# Altium PCB PCB2.PcbDoc (part 2 of 5) (continued)
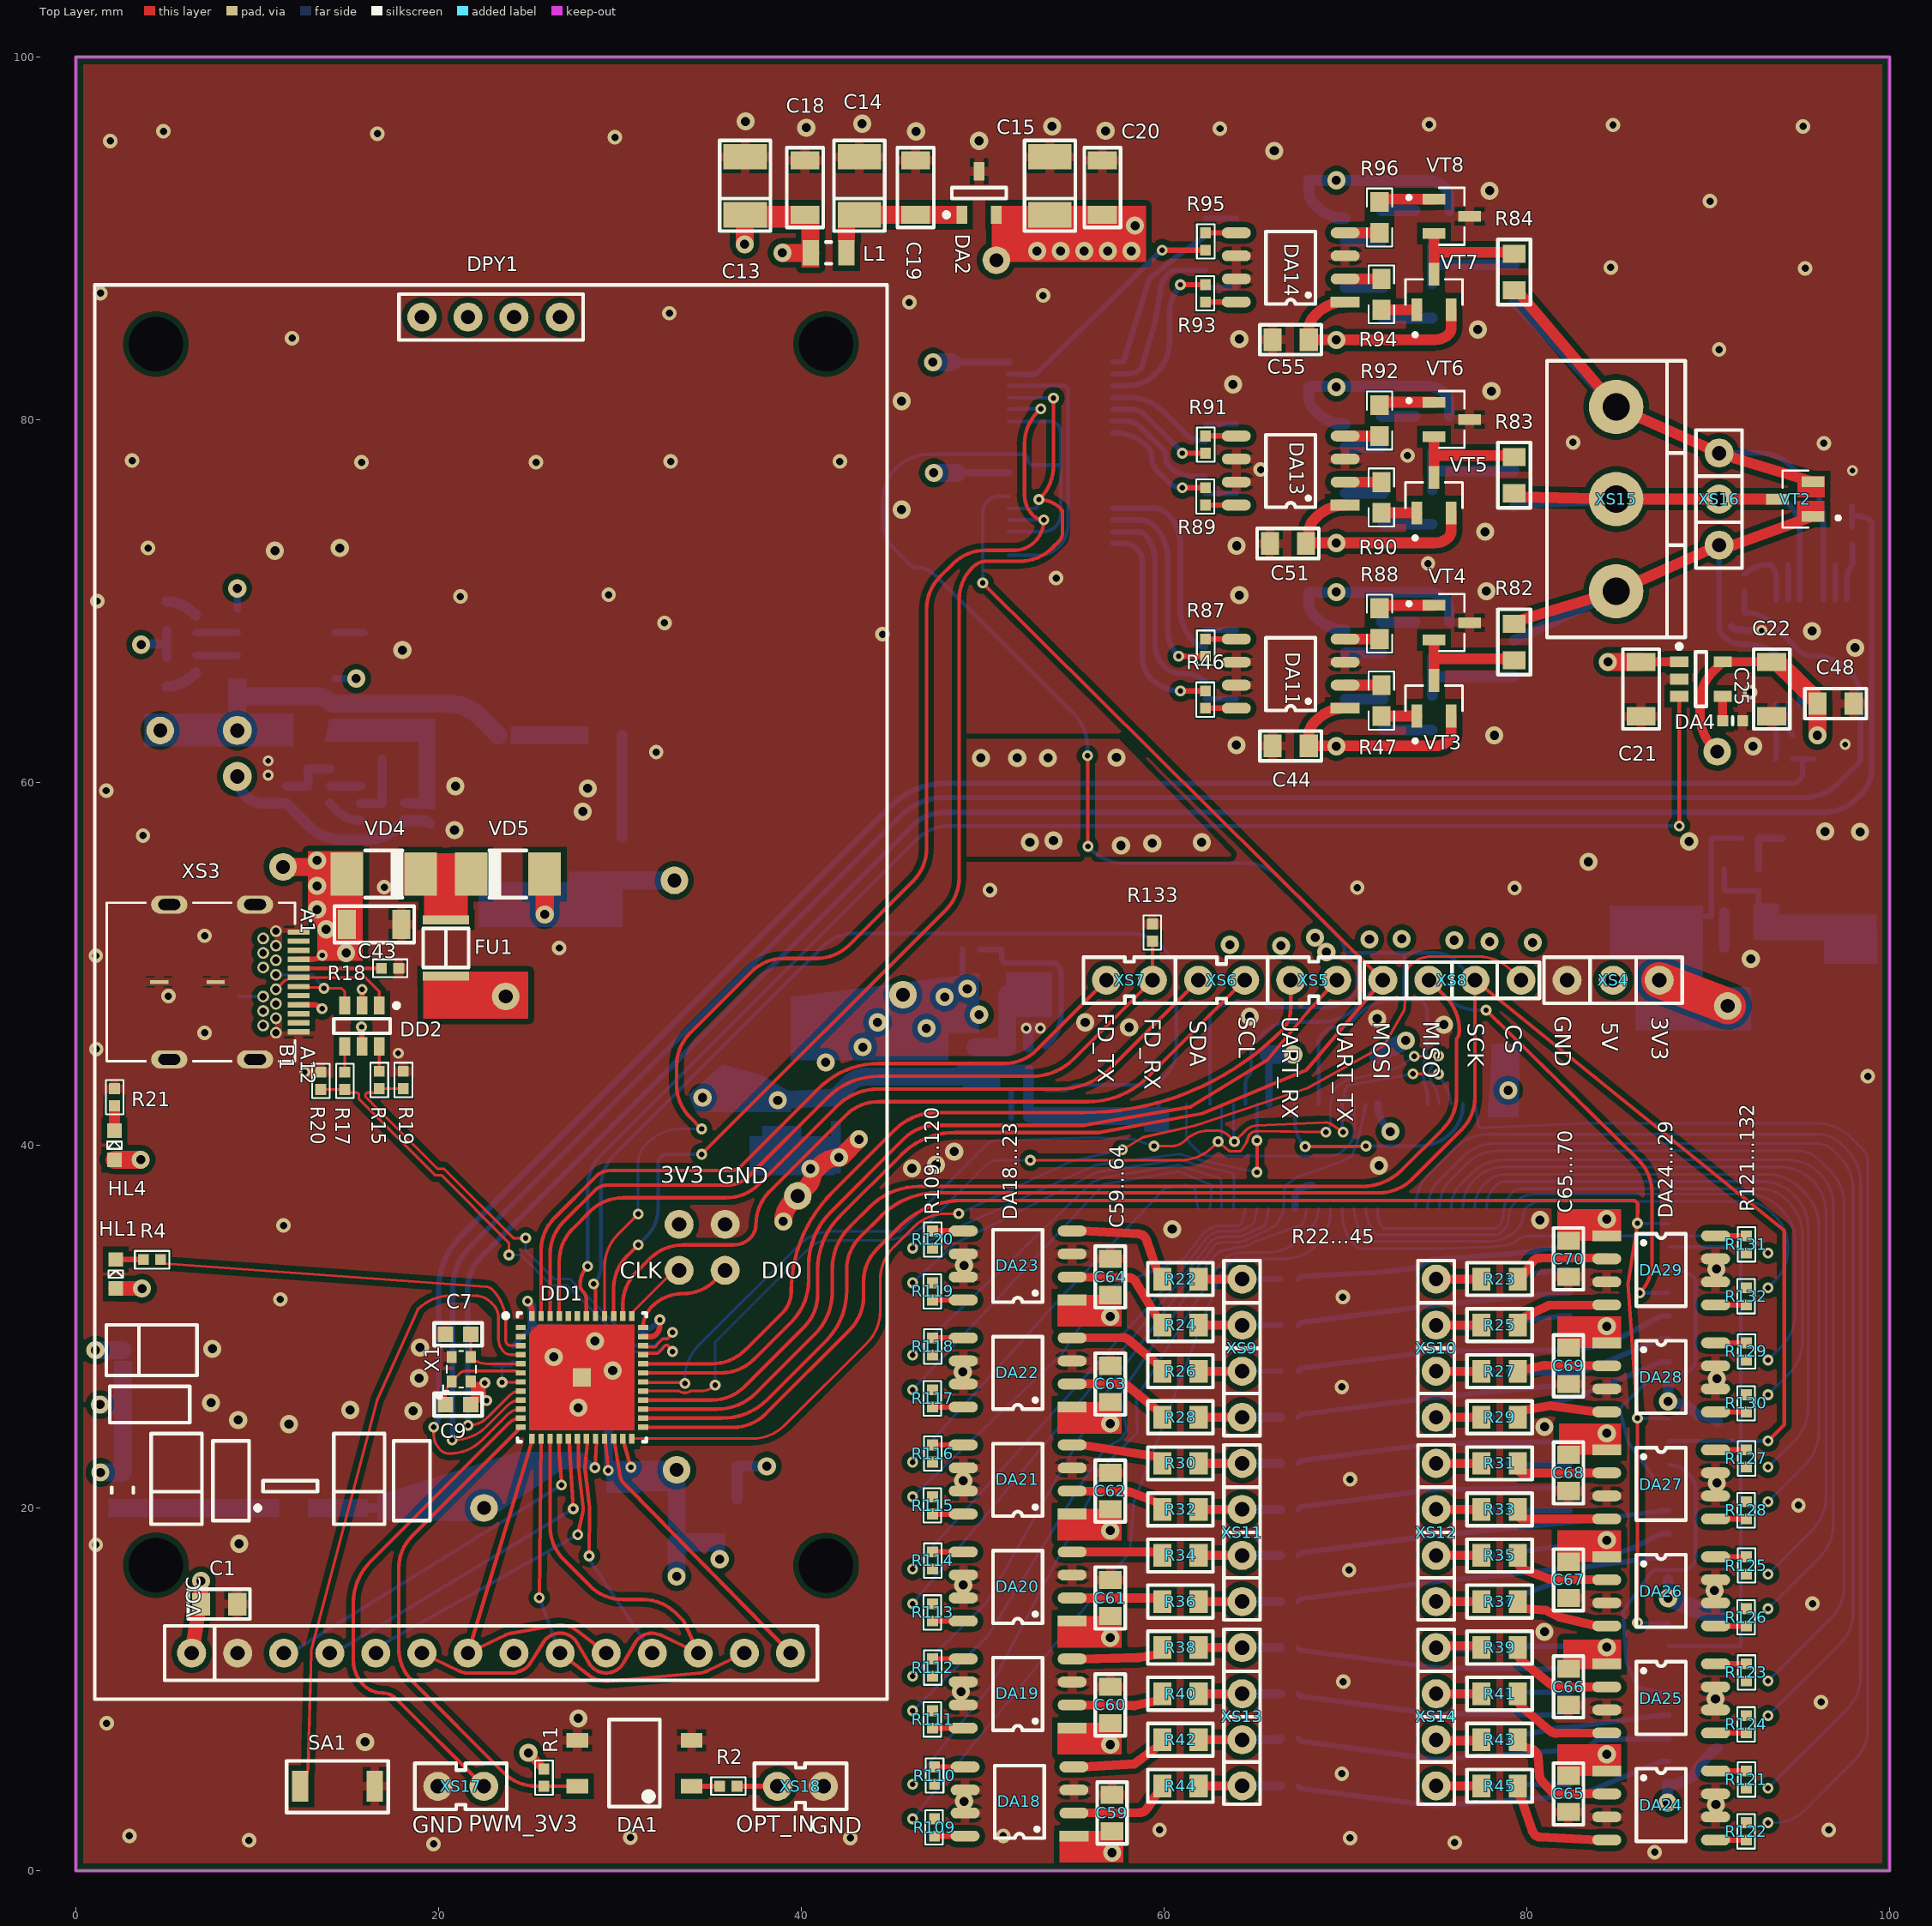
[diagram p0: Top Layer view]
## Nets (pads, with @x,y where several pads share a name; then routed paths per layer and width w, separated by ;. In a path a pad name is that pad's centre, name@x,y a point inside that pad or via, vN(x,y) a via of type N, cw(c..) or ccw(c..) an arc to the next point about the centre after c; other vN are vias at no path point) (continued)
  Bottom Layer w0.6: DA15.1@69.482,68.41 DA15.1@69.982,68.41 ; DA16.1@69.482,79.76 DA16.1@69.982,79.76 ; DA17.1@69.482,91.11 DA17.1@69.982,91.11 ; VT9.2@75.732,68.84 75.732,69.496 ; VT11.2@75.732,80.19 75.732,80.846 ; VT13.2@75.732,91.54 75.732,92.196 ; C56.1@67.982,69.914 ccw(c69.006,69.914) 68.282,69.19 ; C56.1@67.982,69.914 ccw(c69.006,69.914) 68.282,69.19 ; C56.1@67.982,69.914 ccw(c69.006,69.914) 68.282,69.19 ; C56.1@67.982,69.914 ccw(c69.006,69.914) 68.282,69.19 ; C56.1@67.982,69.914 C56.1@67.982,70.49 74.54,70.49 ; C57.1@67.982,81.264 ccw(c69.006,81.264) 68.282,80.54 ; C57.1@67.982,81.264 ccw(c69.006,81.264) 68.282,80.54 ; C57.1@67.982,81.264 ccw(c69.006,81.264) 68.282,80.54 ; C57.1@67.982,81.264 ccw(c69.006,81.264) 68.282,80.54 ; C57.1@67.982,81.264 C57.1@67.982,81.84 74.54,81.84 ; C58.1@67.982,92.614 ccw(c69.006,92.614) 68.282,91.89 ; C58.1@67.982,92.614 ccw(c69.006,92.614) 68.282,91.89 ; C58.1@67.982,92.614 ccw(c69.006,92.614) 68.282,91.89 ; C58.1@67.982,92.614 ccw(c69.006,92.614) 68.282,91.89 ; C58.1@67.982,92.614 C58.1@67.982,93.19 74.54,93.19 ; 68.282,69.19 68.411,69.061 ; 68.282,80.54 68.411,80.411 ; 68.282,91.89 68.411,91.76 ; 68.411,69.061 ccw(c69.982,70.631) DA15.1@69.982,68.41 ; 68.411,69.061 ccw(c69.982,70.631) DA15.1@69.982,68.41 ; 68.411,69.061 ccw(c69.982,70.631) DA15.1@69.982,68.41 ; 68.411,69.061 ccw(c69.982,70.631) DA15.1@69.982,68.41 ; 68.411,69.061 ccw(c69.982,70.631) DA15.1@69.982,68.41 ; 68.411,69.061 ccw(c69.982,70.631) DA15.1@69.982,68.41 ; 68.411,69.061 ccw(c69.982,70.631) DA15.1@69.982,68.41 ; 68.411,69.061 ccw(c69.982,70.631) DA15.1@69.982,68.41 ; 68.411,80.411 ccw(c69.982,81.981) DA16.1@69.982,79.76 ; 68.411,80.411 ccw(c69.982,81.981) DA16.1@69.976,79.76 ; 68.411,80.411 ccw(c69.982,81.981) DA16.1@69.976,79.76 ; 68.411,80.411 ccw(c69.982,81.981) DA16.1@69.982,79.76 ; 68.411,80.411 ccw(c69.982,81.981) DA16.1@69.976,79.76 ; 68.411,91.761 ccw(c69.982,93.331) DA17.1@69.982,91.11 ; 68.411,91.761 ccw(c69.982,93.331) DA17.1@69.982,91.11 ; 68.411,91.761 ccw(c69.982,93.331) DA17.1@69.982,91.11 ; 68.411,91.761 ccw(c69.982,93.331) DA17.1@69.982,91.11 ; 68.411,91.76 ccw(c69.982,93.331) DA17.1@69.982,91.11 ; 68.411,91.76 ccw(c69.982,93.331) DA17.1@69.982,91.11 ; 68.411,91.76 ccw(c69.982,93.331) DA17.1@69.982,91.11 ; 68.411,91.76 ccw(c69.982,93.331) DA17.1@69.982,91.11 ; DA16.1@69.976,79.76 ccw(c69.982,81.981) DA16.1@69.982,79.76 ; DA16.1@69.976,79.76 ccw(c69.982,81.981) DA16.1@69.982,79.76 ; DA16.1@69.976,79.76 ccw(c69.982,81.981) DA16.1@69.982,79.76 ; 74.54,70.49 cw(c74.54,69.158) 75.482,70.1 ; 74.54,70.49 cw(c74.54,69.158) 75.482,70.1 ; 74.54,70.49 cw(c74.54,69.158) 75.482,70.1 ; 74.54,70.49 cw(c74.54,69.158) 75.482,70.1 ; 74.54,70.49 cw(c74.54,69.158) 75.482,70.1 ; 74.54,70.49 cw(c74.54,69.158) 75.482,70.1 ; 74.54,70.49 cw(c74.54,69.158) 75.482,70.1 ; 74.54,70.49 cw(c74.54,69.158) 75.482,70.1 ; 74.54,81.84 cw(c74.54,80.508) 75.482,81.45 ; 74.54,81.84 cw(c74.54,80.508) 75.482,81.45 ; 74.54,81.84 cw(c74.54,80.508) 75.482,81.45 ; 74.54,81.84 cw(c74.54,80.508) 75.482,81.45 ; 74.54,81.84 cw(c74.54,80.508) 75.482,81.45 ; 74.54,81.84 cw(c74.54,80.508) 75.482,81.45 ; 74.54,81.84 cw(c74.54,80.508) 75.482,81.45 ; 74.54,81.84 cw(c74.54,80.508) 75.482,81.45 ; 74.54,93.19 cw(c74.54,91.858) 75.482,92.8 ; 74.54,93.19 cw(c74.54,91.858) 75.482,92.8 ; 74.54,93.19 cw(c74.54,91.858) 75.482,92.8 ; 74.54,93.19 cw(c74.54,91.858) 75.482,92.8 ; 74.54,93.19 cw(c74.54,91.858) 75.482,92.8 ; 74.54,93.19 cw(c74.54,91.858) 75.482,92.8 ; 74.54,93.19 cw(c74.54,91.858) 75.482,92.8 ; 74.54,93.19 cw(c74.54,91.858) 75.482,92.8 ; 75.482,70.1 cw(c74.878,69.496) 75.732,69.496 ; 75.482,70.1 cw(c74.878,69.496) 75.732,69.496 ; 75.482,70.1 cw(c74.878,69.496) 75.732,69.496 ; 75.482,70.1 cw(c74.878,69.496) 75.732,69.496 ; 75.482,70.1 cw(c74.878,69.496) 75.732,69.496 ; 75.482,70.1 cw(c74.878,69.496) 75.732,69.496 ; 75.482,70.1 cw(c74.878,69.496) 75.732,69.496 ; 75.482,70.1 cw(c74.878,69.496) 75.732,69.496 ; 75.482,81.45 cw(c74.878,80.846) 75.732,80.846 ; 75.482,81.45 cw(c74.878,80.846) 75.732,80.846 ; 75.482,81.45 cw(c74.878,80.846) 75.732,80.846 ; 75.482,81.45 cw(c74.878,80.846) 75.732,80.846 ; 75.482,81.45 cw(c74.878,80.846) 75.732,80.846 ; 75.482,81.45 cw(c74.878,80.846) 75.732,80.846 ; 75.482,81.45 cw(c74.878,80.846) 75.732,80.846 ; 75.482,81.45 cw(c74.878,80.846) 75.732,80.846 ; 75.482,92.8 cw(c74.878,92.196) 75.732,92.196 ; 75.482,92.8 cw(c74.878,92.196) 75.732,92.196 ; 75.482,92.8 cw(c74.878,92.196) 75.732,92.196 ; 75.482,92.8 cw(c74.878,92.196) 75.732,92.196 ; 75.482,92.8 cw(c74.878,92.196) 75.732,92.196 ; 75.482,92.8 cw(c74.878,92.196) 75.732,92.196 ; 75.482,92.8 cw(c74.878,92.196) 75.732,92.196 ; 75.482,92.8 cw(c74.878,92.196) 75.732,92.196
  other v1: 69.5,62 69.5,70.5 69.5,73.2 69.5,81.8 69.5,84.4 53,89.3 54.3,89.3 55.6,89.3 56.9,89.3 58.2,89.3 58.4,90.7 69.5,93.2
10V: C22.1 C48.1 DA4.5 DA12.4 TP2.1 | length 14.7
  Top Layer w0.5: TP2.1@90.5,61.7 TP2.1@90.294,61.906 ; DA4.5@90.8,66.65 90.257,66.107 ccw(c91.964,64.4) 89.55,64.4 89.55,63.702 ; 89.55,63.702 ccw(c92.09,63.702) TP2.1@90.294,61.906 ; 89.55,63.702 ccw(c92.09,63.702) TP2.1@90.294,61.906
  Top Layer w1: C22.1@93.5,66.65 93.8,66.65 96.025,64.475 C48.1@96.025,64.35 v1(96.025,62.6)
  Bottom Layer w0.4: DA12.4@95.7,64.325 95.705,63.785 v1(96.025,62.6)
A1: DA18.2 R44.2 | length 9
  Top Layer w0.5: DA18.2@55.029,3.181 55.529,3.181 58.636,3.199 58.638,3.199 ; R44.2@59.9,4.68 59.65,4.305 59.047,3.417 ; 58.638,3.199 ccw(c58.633,3.699) 59.047,3.417 ; 58.638,3.199 ccw(c58.633,3.699) 59.047,3.417 ; 58.638,3.199 ccw(c58.633,3.699) 59.047,3.417 ; 58.638,3.199 ccw(c58.633,3.699) 59.047,3.417 ; 58.638,3.199 ccw(c58.633,3.699) 59.047,3.417 ; 58.638,3.199 ccw(c58.633,3.699) 59.047,3.417 ; 58.638,3.199 ccw(c58.633,3.699) 59.047,3.417 ; 58.638,3.199 ccw(c58.633,3.699) 59.047,3.417
A2: DA19.2 R40.2 | length 6
  Top Layer w0.5: DA19.2@54.929,9.136 55.429,9.136 58.292,9.101 ; R40.2@59.9,9.76 59.65,9.385 58.404,9.113 ; 58.293,9.101 ccw(c58.298,9.601) 58.405,9.113 ; 58.293,9.101 ccw(c58.298,9.601) 58.405,9.113 ; 58.293,9.101 ccw(c58.298,9.601) 58.405,9.113 ; 58.293,9.101 ccw(c58.298,9.601) 58.405,9.113 ; 58.293,9.101 ccw(c58.298,9.601) 58.405,9.113 ; 58.293,9.101 ccw(c58.298,9.601) 58.405,9.113 ; 58.293,9.101 ccw(c58.298,9.601) 58.405,9.113 ; 58.293,9.101 ccw(c58.298,9.601) 58.405,9.113
A3: DA20.2 R36.2 | length 5
  Top Layer w0.5: DA20.2@54.929,15.036 59.65,15.036 R36.2@59.9,14.84
A4: DA21.2 R32.2 | length 6.5
  Top Layer w0.5: DA21.2@54.929,20.936 55.429,20.936 57.976,20.902 57.978,20.902 ; R32.2@59.9,19.92 59.65,20.295 58.148,20.869 ; 57.978,20.902 cw(c57.97,20.402) 58.148,20.869 ; 57.978,20.902 cw(c57.97,20.402) 58.148,20.869 ; 57.978,20.902 cw(c57.97,20.402) 58.148,20.869 ; 57.978,20.902 cw(c57.97,20.402) 58.148,20.869 ; 57.978,20.902 cw(c57.97,20.402) 58.148,20.869 ; 57.978,20.902 cw(c57.97,20.402) 58.148,20.869 ; 57.978,20.902 cw(c57.97,20.402) 58.148,20.869 ; 57.978,20.902 cw(c57.97,20.402) 58.148,20.869
A5: DA22.2 R28.2 | length 8.1
  Top Layer w0.5: DA22.2@54.929,26.836 57.668,26.836 ; R28.2@59.9,25 59.65,25.375 57.983,26.725 ; 57.668,26.836 cw(c57.668,26.336) 57.983,26.725 ; 57.668,26.836 cw(c57.668,26.336) 57.983,26.725 ; 57.668,26.836 cw(c57.668,26.336) 57.983,26.725 ; 57.668,26.836 cw(c57.668,26.336) 57.983,26.725 ; 57.668,26.836 cw(c57.668,26.336) 57.983,26.725 ; 57.668,26.836 cw(c57.668,26.336) 57.983,26.725 ; 57.668,26.836 cw(c57.668,26.336) 57.983,26.725 ; 57.668,26.836 cw(c57.668,26.336) 57.983,26.725
A6: DA23.2 R24.2 | length 9.9
  Top Layer w0.5: DA23.2@54.929,32.736 55.429,32.736 58.024,32.703 ; R24.2@59.9,30.08 59.65,30.455 58.446,32.461 ; 58.025,32.703 cw(c58.017,32.203) 58.446,32.461 ; 58.025,32.703 cw(c58.017,32.203) 58.446,32.461 ; 58.025,32.703 cw(c58.017,32.203) 58.446,32.461 ; 58.025,32.703 cw(c58.017,32.203) 58.446,32.461 ; 58.025,32.703 cw(c58.017,32.203) 58.446,32.461 ; 58.025,32.703 cw(c58.017,32.203) 58.446,32.461 ; 58.025,32.703 cw(c58.017,32.203) 58.446,32.461 ; 58.025,32.703 cw(c58.017,32.203) 58.446,32.461
A7: DA24.2 R43.1 | length 16.3
  Top Layer w0.5: R43.1@79.5,7.22 79.75,6.845 80.258,6.697 ; 80.814,4.973 81.326,4.401 ; DA24.2@84.406,4.235 81.698,4.235 ; 80.258,6.697 cw(c80.119,6.217) 80.618,6.254 ; 80.258,6.697 cw(c80.119,6.217) 80.618,6.254 ; 80.258,6.697 cw(c80.119,6.217) 80.618,6.254 ; 80.258,6.697 cw(c80.119,6.217) 80.618,6.254 ; 80.258,6.697 cw(c80.119,6.217) 80.618,6.254 ; 80.258,6.697 cw(c80.119,6.217) 80.618,6.254 ; 80.258,6.697 cw(c80.119,6.217) 80.618,6.254 ; 80.258,6.697 cw(c80.119,6.217) 80.618,6.254 ; 80.618,6.253 80.688,5.272 ; 80.688,5.272 ccw(c81.187,5.306) 80.813,4.973 ; 80.688,5.272 ccw(c81.187,5.306) 80.813,4.973 ; 80.688,5.272 ccw(c81.187,5.306) 80.813,4.973 ; 80.688,5.272 ccw(c81.187,5.306) 80.813,4.973 ; 80.688,5.272 ccw(c81.187,5.306) 80.813,4.973 ; 80.688,5.272 ccw(c81.187,5.306) 80.813,4.973 ; 80.688,5.272 ccw(c81.187,5.306) 80.813,4.973 ; 80.688,5.272 ccw(c81.187,5.306) 80.813,4.973 ; 81.326,4.401 ccw(c81.698,4.735) 81.698,4.235 ; 81.326,4.401 ccw(c81.698,4.735) 81.698,4.235 ; 81.326,4.401 ccw(c81.698,4.735) 81.698,4.235 ; 81.326,4.401 ccw(c81.698,4.735) 81.698,4.235 ; 81.326,4.401 ccw(c81.698,4.735) 81.698,4.235 ; 81.326,4.401 ccw(c81.698,4.735) 81.698,4.235 ; 81.326,4.401 ccw(c81.698,4.735) 81.698,4.235 ; 81.326,4.401 ccw(c81.698,4.735) 81.698,4.235
A8: DA25.2 R39.1 | length 8.1
  Top Layer w0.5: R39.1@79.435,11.971 79.685,11.596 81.352,10.246 ; DA25.2@84.406,10.135 81.667,10.135 ; 81.352,10.246 ccw(c81.667,10.635) 81.667,10.135 ; 81.352,10.246 ccw(c81.667,10.635) 81.667,10.135 ; 81.352,10.246 ccw(c81.667,10.635) 81.667,10.135 ; 81.352,10.246 ccw(c81.667,10.635) 81.667,10.135 ; 81.352,10.246 ccw(c81.667,10.635) 81.667,10.135 ; 81.352,10.246 ccw(c81.667,10.635) 81.667,10.135 ; 81.352,10.246 ccw(c81.667,10.635) 81.667,10.135 ; 81.352,10.246 ccw(c81.667,10.635) 81.667,10.135
A9: DA26.2 R35.1 | length 5.3
  Top Layer w0.5: R35.1@79.435,17.051 79.685,16.676 81.187,16.102 ccw(c81.365,16.569) 81.357,16.069 81.359,16.069 83.906,16.035 DA26.2@84.406,16.035
A10: DA27.2 R31.1 | length 5
  Top Layer w0.5: R31.1@79.435,22.131 79.685,21.935 DA27.2@84.406,21.935
A11: DA28.2 R27.1 | length 6
  Top Layer w0.5: R27.1@79.435,27.211 79.685,27.586 80.93,27.858 ; 81.043,27.87 83.906,27.835 DA28.2@84.406,27.835 ; 80.93,27.858 cw(c81.037,27.37) 81.042,27.87 ; 80.93,27.858 cw(c81.037,27.37) 81.042,27.87 ; 80.93,27.858 cw(c81.037,27.37) 81.042,27.87 ; 80.93,27.858 cw(c81.037,27.37) 81.042,27.87 ; 80.93,27.858 cw(c81.037,27.37) 81.042,27.87 ; 80.93,27.858 cw(c81.037,27.37) 81.042,27.87 ; 80.93,27.858 cw(c81.037,27.37) 81.042,27.87 ; 80.93,27.858 cw(c81.037,27.37) 81.042,27.87
A12: DA29.2 R23.1 | length 9
  Top Layer w0.5: R23.1@79.435,32.291 79.685,32.666 80.288,33.554 ; 80.697,33.773 80.699,33.773 83.806,33.79 DA29.2@84.306,33.79 ; 80.288,33.553 cw(c80.702,33.272) 80.697,33.772 ; 80.288,33.553 cw(c80.702,33.272) 80.697,33.772 ; 80.288,33.553 cw(c80.702,33.272) 80.697,33.772 ; 80.288,33.553 cw(c80.702,33.272) 80.697,33.772 ; 80.288,33.553 cw(c80.702,33.272) 80.697,33.772 ; 80.288,33.553 cw(c80.702,33.272) 80.697,33.772 ; 80.288,33.553 cw(c80.702,33.272) 80.697,33.772 ; 80.288,33.553 cw(c80.702,33.272) 80.697,33.772
A_IN1: DD9.5 R109.2 | length 43.3
  Bottom Layer w0.15: v2(46.135,2.861) 58.104,17.547 58.308,20.195 63.155,32.98 63.849,33.674 cw(c63.972,33.55) 63.972,33.725 66.573,33.725 ccw(c66.573,36.265) 68.369,34.469 68.431,34.531 ccw(c66.635,36.327) 69.175,36.327 DD9.5@69.175,36.525
A_IN2: DD9.7 R111.2 | length 38
  Bottom Layer w0.15: v2(46.135,8.816) 50.312,12.987 55.248,21.048 56.777,23.341 57.633,23.78 57.938,24.287 57.561,26.228 62.495,33.595 63.042,34.142 63.119,34.174 ; DD9.7@67.875,36.525 67.764,35.959 DD9.7@67.764,35.957 ; 63.119,34.174 cw(c63.177,34.035) 63.15,34.183 ccw(c63.177,34.035) 63.119,34.174 ; 63.155,34.184 cw(c63.124,34.331) 63.151,34.183 ccw(c63.124,34.331) 63.155,34.184 ; 63.155,34.184 63.438,34.244 cw(c63.5,33.95) 63.45,34.246 63.452,34.246 ccw(c63.426,34.394) 63.455,34.247 63.914,34.338 ; 63.914,34.338 cw(c64.286,32.48) 64.025,34.357 ; 63.914,34.338 cw(c64.286,32.48) 64.025,34.357 ; 64.025,34.357 cw(c64.083,33.911) 64.071,34.361 ; 64.071,34.361 ccw(c64.03,35.785) 64.632,34.493 ; 64.071,34.361 ccw(c64.03,35.785) 64.632,34.493 ; 64.632,34.493 65.125,34.722 ; 65.125,34.723 cw(c65.188,34.586) 65.138,34.728 ; 65.125,34.723 cw(c65.188,34.586) 65.138,34.728 ; 65.138,34.728 67.506,35.573 ; 67.506,35.573 ccw(c67.43,35.785) 67.631,35.684 ; 67.506,35.573 ccw(c67.43,35.785) 67.631,35.684 ; 67.631,35.684 DD9.7@67.751,35.922 ; DD9.7@67.751,35.922 ccw(c67.617,35.989) DD9.7@67.764,35.957 ; DD9.7@67.751,35.922 ccw(c67.617,35.989) DD9.7@67.764,35.957
A_IN3: DD8.1 R113.2 | length 30.5
  Bottom Layer w0.15: v2(46.135,14.716) 61.526,33.331 ccw(c60.948,33.809) 61.547,33.358 61.854,33.769 cw(c63.69,32.4) 61.898,33.825 62.073,34.045 ; 65.576,35.633 cw(c65.433,35.68) 65.497,35.544 cw(c65.433,35.68) 65.495,35.543 ; 65.576,35.635 65.645,35.86 DD8.1@65.775,36.525 ; 62.073,34.045 cw(c62.19,33.952) 62.088,34.062 ; 62.073,34.045 cw(c62.19,33.952) 62.088,34.062 ; 62.089,34.062 ccw(c61.987,34.173) 62.095,34.068 62.107,34.081 ; 62.107,34.081 ccw(c61.569,34.604) 62.174,34.16 ; 62.107,34.081 ccw(c61.569,34.604) 62.174,34.16 ; 62.174,34.16 62.543,34.663 62.544,34.664 62.549,34.67 ; 62.549,34.67 cw(c62.905,34.395) 62.683,34.786 ; 62.549,34.67 cw(c62.905,34.395) 62.683,34.786 ; 62.683,34.786 62.763,34.832 cw(c63.134,34.18) 63.059,34.927 63.365,34.958 cw(c63.426,34.361) 63.407,34.96 63.409,34.961 ; 63.409,34.961 ccw(c63.38,35.785) 63.482,34.966 ; 63.409,34.961 ccw(c63.38,35.785) 63.482,34.966 ; 63.482,34.966 cw(c63.499,34.817) 63.516,34.966 63.531,34.965 ; 63.531,34.965 ccw(c63.62,35.785) 63.62,34.96 ; 63.531,34.965 ccw(c63.62,35.785) 63.62,34.96 ; 63.62,34.96 64.03,34.96 ccw(c64.03,35.785) 64.348,35.024 ccw(c64.03,35.785) 64.37,35.034 ccw(c64.03,35.785) 64.379,35.037 64.873,35.267 ; 64.873,35.267 cw(c65.127,34.723) 64.884,35.272 ; 64.873,35.267 cw(c65.127,34.723) 64.884,35.272 ; 64.884,35.272 65.492,35.542 ; 65.492,35.542 cw(c65.615,35.268) 65.495,35.543 ; 65.492,35.542 cw(c65.615,35.268) 65.495,35.543
A_IN4: DD8.3 R115.2 | length 26.2
  Bottom Layer w0.15: v2(46.135,20.616) 54.363,28.489 56.748,32.06 61.067,33.718 ; 61.068,33.719 61.375,34.13 ; 62.964,35.56 ccw(c62.969,35.71) 62.969,35.56 63.38,35.56 ccw(c63.38,35.785) 63.414,35.563 cw(c63.5,34.969) 63.586,35.563 ccw(c63.62,35.785) 63.62,35.56 64.03,35.56 ccw(c64.03,35.785) 64.22,35.664 DD8.3@64.328,35.832 ; DD8.3@64.35,35.884 DD8.3@64.475,36.525 ; 61.375,34.13 cw(c63.69,32.4) 61.422,34.191 ; 61.375,34.13 cw(c63.69,32.4) 61.422,34.191 ; 61.422,34.191 61.597,34.413 ; 61.597,34.413 ccw(c61.48,34.506) 61.599,34.415 ; 61.598,34.413 ccw(c61.48,34.506) 61.599,34.415 ; 61.599,34.415 cw(c62.075,34.05) 61.67,34.493 ccw(c61.569,34.604) 61.69,34.515 62.062,35.021 ; 62.062,35.021 cw(c63.029,34.31) 62.615,35.437 ; 62.062,35.021 cw(c63.029,34.31) 62.615,35.437 ; 62.615,35.437 62.807,35.507 62.826,35.517 cw(c62.895,35.384) 62.836,35.522 62.898,35.548 ; 62.898,35.548 cw(c62.957,35.41) 62.963,35.56 ccw(c62.957,35.41) 62.898,35.548 ; DD8.3@64.328,35.832 ccw(c64.203,35.913) 64.349,35.883 cw(c64.203,35.913) DD8.3@64.328,35.832 ; 61.046,33.696 ccw(c60.947,33.809) 61.057,33.706 cw(c60.947,33.809) 61.046,33.696
A_IN5: DD8.6 R117.2 | length 22.9
  Bottom Layer w0.15: v2(46.135,26.516) 56.675,37.85 60.758,38.543 cw(c60.783,38.395) 60.839,38.534 ; 60.839,38.534 62.506,37.857 cw(c62.45,37.718) 62.6,37.72 ; DD8.6@62.525,36.525 62.6,37.19 62.6,37.719
A_IN6: DD8.4 R119.2 | length 21.5
  Bottom Layer w0.15: v2(46.135,32.416) 48.484,34.585 55.475,38.075 56.049,38.397 56.325,38.525 60.773,39.203 cw(c60.818,38.906) 60.903,39.194 62.003,38.871 ccw(c62.325,39.968) 62.058,38.857 63.735,38.455 cw(c63.7,38.309) 63.85,38.309 63.85,37.19 DD8.4@63.825,36.525
A_IN7: DD10.7 R121.2 | length 70.9
  Bottom Layer w0.15: DD10.7@73.875,36.525 DD10.7@73.875,36.623 ; v2(93.3,4.555) 97.656,8.911 ; DD10.7@73.875,36.623 cw(c76.415,36.623) 74.619,38.419 ; DD10.7@73.875,36.623 cw(c76.415,36.623) 74.619,38.419 ; 74.619,38.419 76.056,39.856 ; 76.056,39.856 cw(c77.852,38.06) 77.852,40.6 ; 76.056,39.856 cw(c77.852,38.06) 77.852,40.6 ; 77.852,40.6 96.093,40.6 ; 96.093,40.6 cw(c96.093,38.893) 97.3,40.1 ; 96.093,40.6 cw(c96.093,38.893) 97.3,40.1 ; 97.3,40.1 97.656,39.744 cw(c95.86,37.948) 98.4,37.948 98.4,10.707 ; 97.656,8.911 ccw(c95.86,10.707) 98.4,10.707 ; 97.656,8.911 ccw(c95.86,10.707) 98.4,10.707
A_IN8: DD10.5 R123.2 | length 58.9
  Bottom Layer w0.15: DD10.5@75.175,36.525 cw(c77.468,36.525) 75.847,38.147 76.656,38.956 cw(c78.452,37.16) 78.452,39.7 94.893,39.7 ; v2(93.3,10.455) 96.756,13.911 ; 94.893,39.7 cw(c94.893,37.993) 96.1,39.2 ; 94.893,39.7 cw(c94.893,37.993) 96.1,39.2 ; 96.1,39.2 96.756,38.544 ; 96.756,13.911 ccw(c94.96,15.707) 97.5,15.707 ; 96.756,13.911 ccw(c94.96,15.707) 97.5,15.707 ; 96.756,38.544 cw(c94.96,36.748) 97.5,36.748 ; 96.756,38.544 cw(c94.96,36.748) 97.5,36.748 ; 97.5,15.707 97.5,36.748
A_IN9: DD10.3 R125.2 | length 51.6
  Bottom Layer w0.15: DD10.3@76.475,36.525 cw(c78.769,36.525) 77.147,38.147 ; v2(93.3,16.355) 95.756,18.811 ; 77.147,38.147 cw(c78.724,36.57) 78.724,38.8 ; 77.147,38.147 cw(c78.724,36.57) 78.724,38.8 ; 78.724,38.8 93.956,38.8 ; 93.956,38.8 cw(c93.956,36.26) 95.752,38.056 ; 93.956,38.8 cw(c93.956,36.26) 95.752,38.056 ; 95.752,38.056 95.756,38.052 ; 95.756,18.811 ccw(c93.96,20.607) 96.5,20.607 ; 95.756,18.811 ccw(c93.96,20.607) 96.5,20.607 ; 95.756,38.052 cw(c93.96,36.256) 96.5,36.256 ; 95.756,38.052 cw(c93.96,36.256) 96.5,36.256 ; 96.5,20.607 96.5,36.256
A_IN10: DD10.1 R127.2 | length 42
  Bottom Layer w0.15: DD10.1@77.775,36.525 DD10.1@77.775,36.533 ; v2(93.3,22.255) 94.756,23.711 ; DD10.1@77.775,36.533 cw(c79.567,36.533) 78.3,37.8 ; DD10.1@77.775,36.533 cw(c79.567,36.533) 78.3,37.8 ; 78.3,37.8 cw(c78.783,37.317) 78.783,38 ; 78.3,37.8 cw(c78.783,37.317) 78.783,38 ; 78.783,38 92.948,38 ; 92.948,38 cw(c92.948,35.46) 94.744,37.256 ; 92.948,38 cw(c92.948,35.46) 94.744,37.256 ; 94.744,37.256 94.756,37.244 ; 94.756,23.711 ccw(c92.96,25.507) 95.5,25.507 ; 94.756,23.711 ccw(c92.96,25.507) 95.5,25.507 ; 94.756,37.244 cw(c92.96,35.448) 95.5,35.448 ; 94.756,37.244 cw(c92.96,35.448) 95.5,35.448 ; 95.5,25.507 95.5,35.448
A_IN11: DD9.2 R129.2 | length 44
  Bottom Layer w0.15: v2(93.3,28.155) 94.056,28.911 ; 71.726,35.074 cw(c73.177,36.525) DD9.2@71.125,36.525 ccw(c73.177,36.525) 71.726,35.074 ; 71.726,35.074 78.437,35.074 ccw(c78.437,35.163) 78.5,35.1 78.717,35.317 ; 78.717,35.317 ccw(c78.034,36) 79,36 ; 78.717,35.317 ccw(c78.034,36) 79,36 ; 79,36 cw(c80.207,36) 79.354,36.854 ; 79.354,36.854 cw(c80.431,35.776) 80.431,37.3 ; 79.354,36.854 cw(c80.431,35.776) 80.431,37.3 ; 80.431,37.3 92.148,37.3 ; 92.148,37.3 cw(c92.148,34.76) 93.944,36.556 ; 92.148,37.3 cw(c92.148,34.76) 93.944,36.556 ; 93.944,36.556 94.056,36.444 ; 94.056,28.911 ccw(c92.26,30.707) 94.8,30.707 ; 94.056,28.911 ccw(c92.26,30.707) 94.8,30.707 ; 94.056,36.444 cw(c92.26,34.648) 94.8,34.648 ; 94.056,36.444 cw(c92.26,34.648) 94.8,34.648 ; 94.8,30.707 94.8,34.648
A_IN12: DD9.4 R131.2 | length 30.5
  Bottom Layer w0.15: DD9.4@69.825,36.525 DD9.4@69.825,36.227 ; 78.888,34.499 78.242,34.418 cw(c77.951,36.749) 78.04,34.402 75.359,34.3 70.885,34.3 ; v2(93.3,34.055) v2@93.099,34.256 ; DD9.4@69.825,36.227 ccw(c72.365,36.227) 70.569,34.431 ; DD9.4@69.825,36.227 ccw(c72.365,36.227) 70.569,34.431 ; 70.569,34.431 ccw(c70.885,34.747) 70.885,34.3 ; 70.569,34.431 ccw(c70.885,34.747) 70.885,34.3 ; 78.889,34.499 ccw(c78.87,34.647) 78.912,34.503 cw(c78.87,34.647) 78.889,34.499 ; 78.889,34.499 ccw(c78.888,35.247) 79.418,34.718 ; 78.889,34.499 ccw(c78.888,35.247) 79.418,34.718 ; 79.418,34.718 cw(c80.099,34.037) 80.099,35 91.303,35 ; 91.303,35 cw(c91.303,32.46) v2@93.099,34.256 ; 91.303,35 cw(c91.303,32.46) v2@93.099,34.256
B1: DA18.4 R42.2 | length 5.8
  Top Layer w0.5: DA18.4@55.029,5.721 55.529,5.721 58.364,5.889 R42.2@59.65,6.845 ; R42.2@59.65,6.845 R42.2@59.9,7.22 R42.2@59.65,6.845
B2: DA19.4 R38.2 | length 5.2
  Top Layer w0.5: DA19.4@54.929,11.676 55.429,11.676 58.564,11.749 59.65,11.925 R38.2@59.9,12.3
B3: DA20.4 R34.2 | length 5
  Top Layer w0.5: DA20.4@54.929,17.576 59.65,17.576 R34.2@59.9,17.38
B4: DA21.4 R30.2 | length 5.2
  Top Layer w0.5: DA21.4@54.929,23.476 55.429,23.476 59.65,22.835 R30.2@59.9,22.46
B5: DA22.4 R26.2 | length 8.2
  Top Layer w0.5: DA22.4@54.929,29.376 55.429,29.376 57.701,29.398 ; R26.2@59.9,27.54 59.65,27.915 58.027,29.281 ; 57.701,29.398 cw(c57.705,28.898) 58.027,29.281 ; 57.701,29.398 cw(c57.705,28.898) 58.027,29.281 ; 57.701,29.398 cw(c57.705,28.898) 58.027,29.281 ; 57.701,29.398 cw(c57.705,28.898) 58.027,29.281 ; 57.701,29.398 cw(c57.705,28.898) 58.027,29.281 ; 57.701,29.398 cw(c57.705,28.898) 58.027,29.281 ; 57.701,29.398 cw(c57.705,28.898) 58.027,29.281 ; 57.701,29.398 cw(c57.705,28.898) 58.027,29.281
B6: DA23.4 R22.1 | length 10.7
  Top Layer w0.5: DA23.4@54.929,35.276 55.429,35.276 58.581,35.116 58.582,35.116 ; R22.1@59.9,32.62 59.65,32.995 59.028,34.781 ; 58.582,35.116 cw(c58.556,34.617) 59.028,34.781 ; 58.582,35.116 cw(c58.556,34.617) 59.028,34.781 ; 58.582,35.116 cw(c58.556,34.617) 59.028,34.781 ; 58.582,35.116 cw(c58.556,34.617) 59.028,34.781 ; 58.582,35.116 cw(c58.556,34.617) 59.028,34.781 ; 58.582,35.116 cw(c58.556,34.617) 59.028,34.781 ; 58.582,35.116 cw(c58.556,34.617) 59.028,34.781 ; 58.582,35.116 cw(c58.556,34.617) 59.028,34.781
B7: DA24.4 R45.1 | length 10.7
  Top Layer w0.5: R45.1@79.435,4.351 79.685,3.976 80.307,2.19 ; DA24.4@84.406,1.695 83.906,1.695 80.754,1.855 80.753,1.855 ; 80.307,2.19 ccw(c80.779,2.354) 80.753,1.855 ; 80.307,2.19 ccw(c80.779,2.354) 80.753,1.855 ; 80.307,2.19 ccw(c80.779,2.354) 80.753,1.855 ; 80.307,2.19 ccw(c80.779,2.354) 80.753,1.855 ; 80.307,2.19 ccw(c80.779,2.354) 80.753,1.855 ; 80.307,2.19 ccw(c80.779,2.354) 80.753,1.855 ; 80.307,2.19 ccw(c80.779,2.354) 80.753,1.855 ; 80.307,2.19 ccw(c80.779,2.354) 80.753,1.855